# Altium PCB ControlBoardV6.2.PcbDoc (continued)
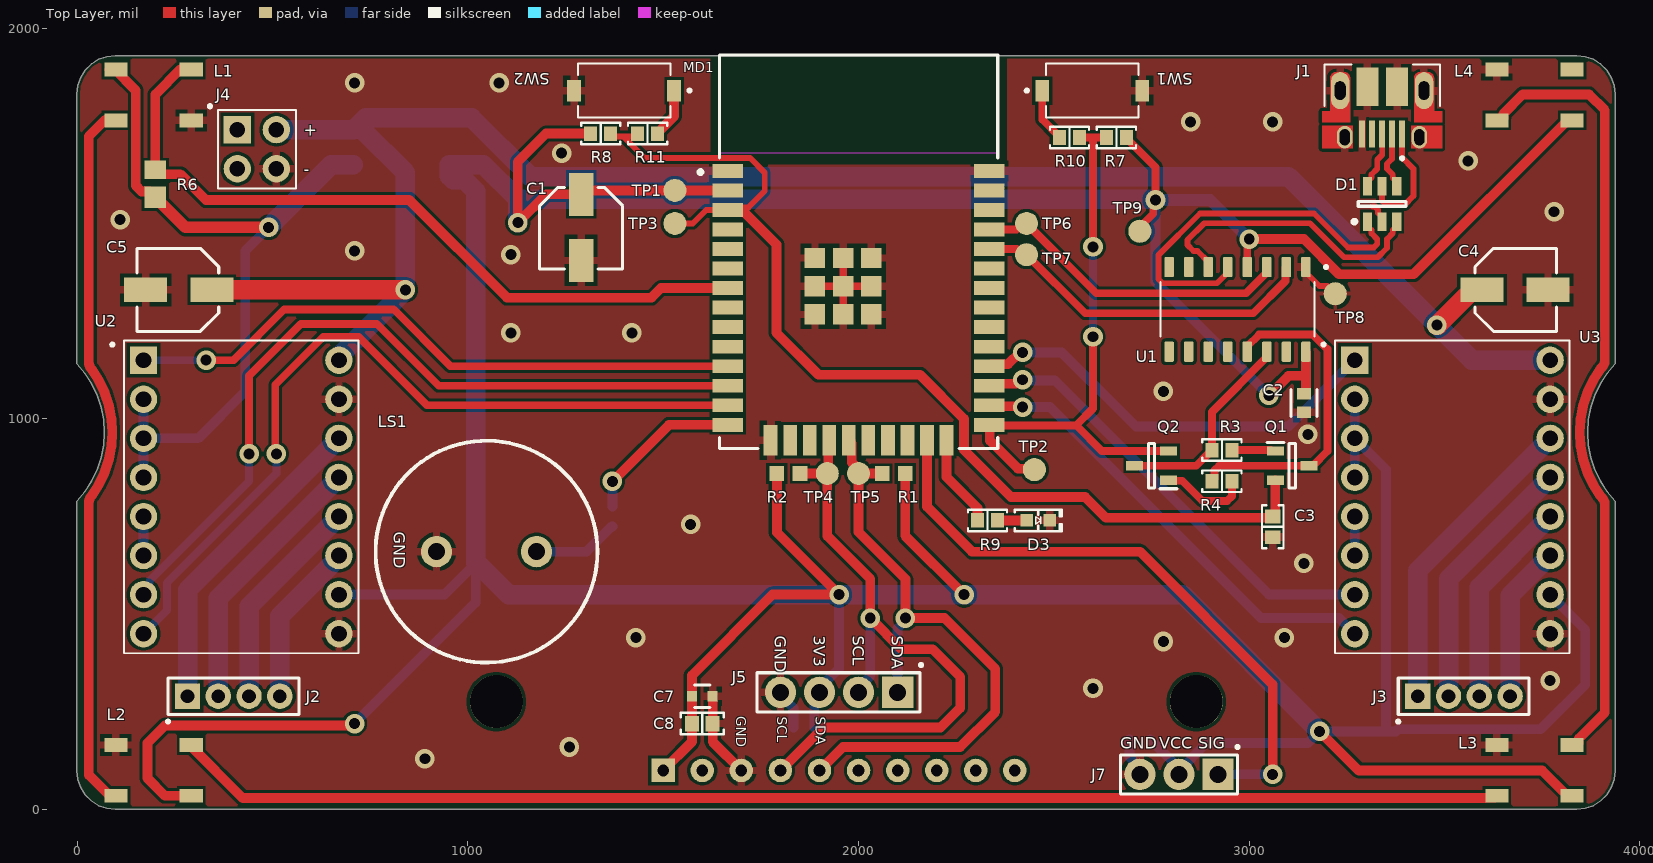
[diagram p0: Top Layer view]
## Part data (continued)
D3: library part LED, "LED BLUE 0603 SMD", Current - Test=20mA, Device Package="0603 (1608 Metric)", Lens Color=1.00mm, Manufacturer="Vishay Semiconductor Opto Division", Millicandela Rating=104mcd, Part Number=VLMB1300-GS08, Supplier Device Package=0603, Supplier Part Number 1=VLMB1300-GS08CT-ND, Voltage - Forward (Vf) (Typ)=3.3V, Color=Blue, ComponentLink1Description=Datasheet, ComponentLink1URL=http://www.vishay.com/docs/82437/vlmo1300.pdf, ComponentLink2Description="DigiKey Link", ComponentLink2URL=http://digikey.com/product-detail/en/vishay-semiconductor-opto-division/VLMB1300-GS08/VLMB1300-GS08CT-ND/3025485, Configuration=Standard, Height (Max)=1.00mm, LastUpdated="09/02/2020 01:20:26", Lens Size="1.10mm x 0.80mm", Lens Style="Rectangle with Flat Top", Lifecycle Status=Active, Minimum Order=1, Mounting Type="Surface Mount", Package / Case="0603 (1608 Metric)", Packaging=TapeAndReel, Part Status=Active, PartId=785, Price=0.08, Series=CHIPLED, Size=0603, Size / Dimension="1.60mm L x 0.80mm W", Supplier 1=DigiKey, Viewing Angle=130°, Wavelength - Dominant=470nm, Wavelength - Peak=468nm
J1: library part 10103594-0001LF, "USB - micro B USB 2.0 Receptacle Connector 5 Position Surface Mount, Right Angle; Through Hole", Package=None, Availability=Good, Check_prices=https://www.snapeda.com/parts/10103594-0001LF/Amphenol%20FCI/view-part/5161044/?ref=eda, MF="Amphenol ICC (FCI)", MP=10103594-0001LF, Price=None, Purchase-URL=https://pricing.snapeda.com/search/part/10103594-0001LF/?ref=eda, SnapEDA_Link=https://www.snapeda.com/parts/10103594-0001LF/Amphenol%20FCI/view-part/5161044/?ref=snap
J2 J3: library part M22-2510405, "Connector", Manufacturer_Name=Harwin, Mouser Part Number=855-M22-2510405, Datasheet Link=https://cdn.harwin.com/pdfs/M22-251.pdf, Height=5.25mm, Manufacturer_Part_Number=M22-2510405, Mouser Price/Stock=https://www.mouser.co.uk/ProductDetail/Harwin/M22-2510405?qs=vF78I%252BjhbY9z7PsFZBZ5CA%3D%3D
J4: library part M20-9950245, "M20-9950245 Pin Connector", ComponentLink1Description=Datasheet, ComponentLink1URL=https://www.snapeda.com/parts/M20-9950245/Harwin/datasheet/
J5: library part SSD_GUARRETA, "CONN HDR 4POS 0.1 TIN PCB", Color=Black, Manufacturer=Sullins, Manufacturer Part Number=PPTC041LFBN-RC, Package Quantity=1000, Supplier Part Number 1=S7002-ND, Category=Connectors, ComponentLink1Description=https://media.digikey.com/pdf/Data%20Sheets/Sullins%20PDFs/Female_Headers.100_DS.pdf?src-supplier=Digi-Key, ComponentLink1URL=https://media.digikey.com/pdf/Data%20Sheets/Sullins%20PDFs/Female_Headers.100_DS.pdf?src-supplier=Digi-Key, ComponentLink2Description=http://www.sullinscorp.com/catalogs/78_Page80-81_HEADER_.100_2.54mm_FEMALE.pdf?src-supplier=Future+Electronics, ComponentLink2URL=http://www.sullinscorp.com/catalogs/78_Page80-81_HEADER_.100_2.54mm_FEMALE.pdf?src-supplier=Future+Electronics, Connector Type=Header,Socket, Contact Material=Bronze, Contact Plating=Tin, Height=8.5mm, Housing Material=Plastic, Lead Free="Lead Free", Length=10.7mm, Mount="Through Hole", Number of Positions=4, Number of Rows=1, Packaging=Bulk, Pitch=0.1inch, Pricing 1="1=0,45000, 10=0,42400, 100=0,32500, 500=0,28260, 1000=0,23315, 5000=0,20489, 10000=0,20410 (USD)", RoHS=Yes, Stock 1=41925, Supplier 1=Digi-Key, Termination=Solder, Width=2.5mm
J6: library part IMU_GUARRETA, "CONN HDR 10POS 0.1 TIN PCB", Color=Black, Manufacturer=Sullins, Manufacturer Part Number=PPTC101LFBN-RC, Package Quantity=1000, Supplier Part Number 1=S7008-ND, Category=Connectors, ComponentLink1Description=https://media.digikey.com/pdf/Data%20Sheets/Sullins%20PDFs/Female_Headers.100_DS.pdf?src-supplier=Digi-Key, ComponentLink1URL=https://media.digikey.com/pdf/Data%20Sheets/Sullins%20PDFs/Female_Headers.100_DS.pdf?src-supplier=Digi-Key, Connector Type=Header, Contact Material=Bronze, Contact Plating=Tin, Contact Type="Female Socket", Height=8.5mm, Housing Material=Plastic, Lead Free="Lead Free", Length=25.9mm, Mount="Through Hole", Number of Positions=10, Number of Rows=1, Packaging=Bulk, Pitch=0.1inch, Pricing 1="1=0,65000, 10=0,57400, 100=0,49500, 500=0,40500, 1000=0,36000, 5000=0,32500 (USD)", RoHS=Yes, RoHS Compliant=Yes, Stock 1=12464, Supplier 1=Digi-Key, Termination=Solder, Width=2.5mm
J7: library part IRREMOTE_GUARRETA, "CONN HDR 3POS 0.1 GOLD PCB", Color=Black, Manufacturer=Sullins, Manufacturer Part Number=PPPC031LFBN-RC, Package Quantity=1000, Supplier Part Number 1=S7036-ND, Category=Connectors, ComponentLink1Description=https://media.digikey.com/pdf/Data%20Sheets/Sullins%20PDFs/Female_Headers.100_DS.pdf?src-supplier=Digi-Key, ComponentLink1URL=https://media.digikey.com/pdf/Data%20Sheets/Sullins%20PDFs/Female_Headers.100_DS.pdf?src-supplier=Digi-Key, ComponentLink2Description=http://www.sullinscorp.com/catalogs/78_Page80-81_HEADER_.100_2.54mm_FEMALE.pdf?src-supplier=Future+Electronics, ComponentLink2URL=http://www.sullinscorp.com/catalogs/78_Page80-81_HEADER_.100_2.54mm_FEMALE.pdf?src-supplier=Future+Electronics, Connector Type=Header, Contact Material=Bronze, Contact Plating=Gold, Contact Type="Female Socket", Height=8.5mm, Housing Material=Plastic, Lead Free="Lead Free", Length=8.12mm, Mount="Through Hole", Number of Positions=3, Number of Rows=1, Packaging=Bulk, Pitch=0.1inch, Pricing 1="1=0,37000, 10=0,35100, 100=0,26910, 500=0,23400, 1000=0,19305, 5000=0,16965, 10000=0,16900 (USD)", RoHS=Yes, RoHS Compliant=Yes, Stock 1=36124, Supplier 1=Digi-Key, Termination=Solder, Width=2.5mm
LS1: library part Buzzer
MD1: library part CMP-194065-000003-1, "WIFI MODULE 32MBITS SPI FLASH", Manufacturer="Espressif Systems", Max Frequency=2484MHz, Max Supply Voltage=3.6V, Min Supply Voltage=3V, Nominal Supply Current=500mA, Temperature="-40°C to +85°C", Temperature Range High=+85°C, Temperature Range Low=-40°C, Automotive=No, Bandwidth=72MHz, Category=UNK, ComponentLink2Description=Datasheet, ComponentLink2URL=https://www.espressif.com/sites/default/files/documentation/esp32-wroom-32d_esp32-wroom-32u_datasheet_en.pdf, Data Rate=150Mbits/s, Device Class L1="Integrated Circuits (ICs)", Device Class L2="RF Semiconductors and Devices", Device Class L3=Transceivers, Digikey Description="WIFI MODULE 32MBITS SPI FLASH", Height=3.2mm, Interface=I2C,SPI,UART,Ethernet,I2S,Other, Lead Free=Yes, Manufacturer Part Number=ESP32-WROOM-32D, Mouser Description="Wi-Fi/BT BLE Module ESP32-D0WD, SPI Flash, UART, P", Number Of Adc Channels=16, Number Of Gpio=32, Octopart=https://octopart.com/esp32-wroom-32d-espressif+systems-91040050, Package=ESP32-WROOM-32D, RoHS=TRUE, Sensitivity=-98dBm
Q1 Q2: "Transistor", Manufacturer_Name="Yenji Elec", Datasheet Link=https://datasheet.lcsc.com/szlcsc/Yenji-Elec-S8050_C139514.pdf, Height=1.15mm, Manufacturer_Part_Number=S8050
R1 R2: library part CMP-1012-00586-3, "Precision Thick Film Chip Resistor, 4.7 KOhm, +/- 1%, -55 to 155 degC, 0603 (1608 Metric), RoHS, Tape and Reel", Case Code (Imperial)=1206, Case Code (Metric)=3216, Case\Package=1205, Manufacturer=Panasonic, Manufacturer Part Number=ERJ-3EKF4701V, Max Operating Temperature="125 degC", Min Operating Temperature="-55 degC", Package Quantity=1, Power Rating="250 mW", Tolerance=5%, Type (Resistor)="Thick Film", Voltage Rating="50 V", ComponentLink1Description="Manufacturer URL", ComponentLink1URL=http://www.panasonic.com/, ComponentLink2Description=Datasheet, ComponentLink2URL=http://industrial.panasonic.com/cdbs/www-data/pdf/RDA0000/AOA0000C86.pdf, DatasheetVersion=Apr-15, Elements=4, Height="0.024 inch", Length="0.126 inch", Mount="Surface Mount", PackageDescription="2-Pin Surface Mount Device, Body 1.6 x 0.85 mm", Packaging="Tape and Reel", Pins=8, Radiation Hardening=No, REACH SVHC="No SVHC", Resistance=4k7, RoHSCompliant=true, Size=0603, Width="0.063 inch"
R3 R4 R7 R8: library part RMCF0603JT12K0, "RES 12K OHM 5% 1/10W 0603", Device Package="0603 (1608 Metric)", Manufacturer="Stackpole Electronics Inc", Operating Temperature="-55°C ~ 155°C", Power (Watts)="0.1W, 1/10W", Ratings=AEC-Q200, Resistance="12 kOhms", Supplier Device Package=0603, Supplier Part Number 1=RMCF0603JT12K0CT-ND, Temperature Coefficient=±200ppm/°C, Tolerance=±5%, ComponentLink1Description=Datasheet, ComponentLink1URL=https://www.seielect.com/catalog/sei-rmcf_rmcp.pdf, ComponentLink2Description="DigiKey Link", ComponentLink2URL=http://digikey.com/product-detail/en/stackpole-electronics-inc/RMCF0603JT12K0/RMCF0603JT12K0CT-ND/1943192, Composition="Thick Film", Features="Automotive AEC-Q200", Height - Seated (Max)="0.022\" (0.55mm)", LastUpdated="09/02/2020 01:10:24", Lifecycle Status=Active, Minimum Order=1, Number of Terminations=2, Package / Case="0603 (1608 Metric)", Packaging=CutTape, Part Number=RMCF0603JT12K0, Part Status=Active, PartId=5166, Price=0.10, Series=RMCF, Size=0603, Size / Dimension="0.061\" L x 0.031\" W (1.55mm x 0.80mm)", Supplier 1=DigiKey
R5: library part CRCW06031K00FKEAHP, "RES SMD 1K OHM 1% 1/4W 0603", Device Package="0603 (1608 Metric)", Manufacturer="Vishay Dale", Operating Temperature="-55°C ~ 155°C", Power (Watts)="0.25W, 1/4W", Ratings=AEC-Q200, Resistance="1 kOhms", Supplier Device Package=0603, Supplier Part Number 1=541-1.00KSCT-ND, Temperature Coefficient=±100ppm/°C, Tolerance=±1%, ComponentLink1Description=Datasheet, ComponentLink1URL=http://www.vishay.com/docs/20043/crcwhpe3.pdf, ComponentLink2Description="DigiKey Link", ComponentLink2URL=http://digikey.com/product-detail/en/vishay-dale/CRCW06031K00FKEAHP/541-1.00KSCT-ND/2222766, Composition="Thick Film", Features="Automotive AEC-Q200, Pulse Withstanding", Height - Seated (Max)="0.022\" (0.55mm)", LastUpdated="09/02/2020 01:10:05", Lifecycle Status=Active, Minimum Order=1, Number of Terminations=2, Package / Case="0603 (1608 Metric)", Packaging=TapeAndReel, Part Number=CRCW06031K00FKEAHP, Part Status=Active, PartId=14350, Price=0.02, Series=CRCW-HP, Size=0603, Size / Dimension="0.063\" L x 0.033\" W (1.60mm x 0.85mm)", Supplier 1=DigiKey
R6: library part Resistor, "Resistor", Supplier Part Number 1=2358436, Supplier 1=Farnell
R9 R10 R11: library part RMCF0603JT470R, "RES 470 OHM 5% 1/10W 0603", Device Package="0603 (1608 Metric)", Manufacturer="Stackpole Electronics Inc", Operating Temperature="-55°C ~ 155°C", Power (Watts)="0.1W, 1/10W", Ratings=AEC-Q200, Resistance="470 Ohms", Supplier Device Package=0603, Supplier Part Number 1=RMCF0603JT470RCT-ND, Temperature Coefficient=±200ppm/°C, Tolerance=±5%, ComponentLink1Description=Datasheet, ComponentLink1URL=https://www.seielect.com/catalog/sei-rmcf_rmcp.pdf, ComponentLink2Description="DigiKey Link", ComponentLink2URL=http://digikey.com/product-detail/en/stackpole-electronics-inc/RMCF0603JT470R/RMCF0603JT470RCT-ND/1943166, Composition="Thick Film", Features="Automotive AEC-Q200", Height - Seated (Max)="0.022\" (0.55mm)", LastUpdated="09/02/2020 01:10:23", Lifecycle Status=Active, Minimum Order=1, Number of Terminations=2, Package / Case="0603 (1608 Metric)", Packaging=CutTape, Part Number=RMCF0603JT470R, Part Status=Active, PartId=5857, Price=0.10, Series=RMCF, Size=0603, Size / Dimension="0.061\" L x 0.031\" W (1.55mm x 0.80mm)", Supplier 1=DigiKey
SW1 SW2: library part CMP-2000-07501-1, "FSMSM Push Button Switch, 50 mA, -35 to 85 degC, 2-Pin SMD, RoHS, Tape and Reel", Case\/Package=SMD/SMT, Contact Current Rating=50mA, Contact Resistance=100mOhm, Manufacturer="TE Connectivity", Max Operating Temperature=85degC, Max Voltage Rating (DC)=12V, Min Operating Temperature=-35degC, Operating Force=180gf, Package Description="2-Pin Surface Mount Device, Body 6 x 3.5 mm, Pitch 9.19 mm", Package Quantity=1800, Voltage Rating (DC)=24V, Actuator Length=1.07mm, Actuator Material=Polyamide, Contact Material=Brass, Contact Plating=Silver, Current Rating=50mA, Datasheet URL=http://www.te.com/commerce/DocumentDelivery/DDEController?Action=showdoc&DocId=Customer+Drawing%7F1437566-3%7FC2%7Fpdf%7FEnglish%7FENG_CD_1437566-3_C2_1437566_3_1_c.dwg.pdf%7F1437566-4, Datasheet Version="Rev. C2, 08/2014", Electrical Life=20000Cycles, ELV=Compliant, Illumination Type=Illuminated, Lead Free=LeadFree, Manufacturer Part Number=FSMSMTR, Manufacturer URL=http://www.te.com/, Mechanical Life=20000Cycles, Mount=SurfaceMount, Mounting Technology=SurfaceMount, Orientation=Straight, Package Reference=FSMSMTR, Packaging=TapeandReel, REACH SVHC=Unknown, RoHSCompliant=true, Switch Travel=0.25mm, Termination=GullWing, Throw Configuration=SPST
TP1 TP2 TP3 TP4 TP5 TP6 TP7 TP8 TP9 TP10 TP11 TP12: library part TestPoint
U1: "USB to serial chip CH340", Package=None, Availability="Not in stock", Check_prices=https://www.snapeda.com/parts/CH340C/WCH/view-part/?ref=eda, MF=WCH, MP=CH340C, Price=None, SnapEDA_Link=https://www.snapeda.com/parts/CH340C/WCH/view-part/?ref=snap
U2 U3: "Pololu A4988 Stepper Motor Driver Carrier", ComponentLink1Description="Datasheet carrier", ComponentLink1URL=https://www.robotshop.com/media/files/pdf/datasheet-1182.pdf, ComponentLink2Description="Datasheet A4988", ComponentLink2URL=https://www.pololu.com/file/0J450/a4988_DMOS_microstepping_driver_with_translator.pdf
U4: library part CMP-0062-01631-4, "800mA Low-Dropout Linear Regulator, 4-pin SOT-223, Pb-Free", Manufacturer="Texas Instruments", PackageTopMarking=XYTT*N05B, PowerWise=N, Code_IPC=SOT223-4, Code_JEDEC=TO-261-AA, ComponentLink1Description="Datasheet URL", ComponentLink1URL=http://www.ti.com/general/docs/lit/getliterature.tsp?genericPartNumber=LM1117-N&fileType=pdf, CompType="LDO IC", High-Reliability=Y, Manufacturer Part Number=LM1117IMP-3.3/NOPB, PackageDescription="Molded SOT-223, 6.50 x 3.56 x 1.6mm Body, 4 Lead, 2.3mm Pitch", PackageReference=DCY0004A, PartNumber=LM1117IMP-3.3/NOPB, PinCount=4, RoHS=Y

## Free pads (board coordinates)
  round 135.43 hole 135.43: 1(1072.98,276.05) 1(2864.32,276.05)

## Via types
v1: diameter 50, hole 28, Top Layer to Bottom Layer, 46 vias

## Nets (pads, with @x,y where several pads share a name; then routed paths per layer and width w, separated by ;. In a path a pad name is that pad's centre, name@x,y a point inside that pad or via, vN(x,y) a via of type N, cw(c..) or ccw(c..) an arc to the next point about the centre after c; other vN are vias at no path point)
+3V3: C1.1 C2.2 C6.1 C7.1 C8.2 C9.1 J5.3 J6.1 J7.2 L1.1 L2.1 L3.1 L4.1 MD1.2 R1.1 R2.1 R6.1 R7.1 R8.1 TP1.1 TP9.1 TP11.1 U1.4 U1.16 U2.2 U2.3 U2.4 U2.10 U3.2 U3.3 U3.4 U3.10 U4.2 U4.4 | length 17493.1
  Top Layer w20: R7.1 2685.59,1718.03 2760,1643.62 v1(2760,1560) 2754.26,1554.26 2754.26,1524.83 2720,1490.57 TP9.1 ; U1.4 2995,1455 v1(3000,1460)
  Top Layer w25: L1.1@82.01,1893.43 83.54,1894.96 95.36,1894.96 150,1840.32 150,1596.64 164.64,1582 185,1582 R6.1 ; L2.1@276.46,35.04 224.96,35.04 180,80 180,170 224.78,214.78 687.11,214.78 687.54,215.22 705.22,215.22 v1(710,220) ; R8.1@1317.3,1727.11 R8.1 1200,1730 1128,1658 v1(1128,1502) 1200.65,1574.65 C1.1 1299.94,1584.59 MD1.2 ; J6.1 1573.43,173.43 C8.2 C7.1 1573.43,343.43 1780,550 v1(1950,550) 1790.94,709.06 R2.1 ; R1.1 2119.53,700.47 v1(2270,550) ; v1(3000,1460) 3140,1460 3230,1370 3420.84,1370 3814.65,1763.81 L4.1 ; v1(3050,1060) 3100,1110 3145,1110 ; C2.2 3140.24,1063.62 3145,1068.39 3145,1110 ; U1.16 3145,1110 ; v1(3180,200) 3280,100 3749.68,100 3814.65,35.04 L3.1
  Top Layer w30: R6.1@200.06,1567 277.06,1490 v1(490,1490)
  Bottom Layer w20: J5.3 J5.3@1900,310.48
  Bottom Layer w25: U2.4 U2.3 ; U2.2 U2.3 ; v1(490,1490) 430,1430 430,1070 310,950 U2.3 ; U2.10@678.61,558.61 U2.10 940,550 1020,630 1020,530 v1(710,220) ; C6.1 1886.57,271.69 1900,285.12 J5.3 ; J5.3@1900,310.48 1950,360.48 v1(1950,550) ; C9.1 2746.57,179.02 2809.48,116.11 2809.48,100.52 J7.2 2820,98.99 2891.01,170 3150,170 v1(3180,200) 3350,200 ; v1(2760,1560) 2760,1350 v1(3050,1060) ; U3.4 U3.3 ; U3.2 U3.3 ; U3.10 3860,460 3860,320 3745.5,205.5 3381.15,205.5 3375.65,200 3350,200 ; U3.3 3350,870 3350,200
  Bottom Layer w30: v1(2760,1560) 2900,1560 v1(3000,1460)
  Bottom Layer w50: v1(490,1490) 650,1650 U4.2 ; v1(1128,1502) 1128,1562 ; v1(2760,1560) 2758,1562 1128,1562 ; v1(3180,200) 2830,550 v1(2270,550) v1(1950,550) 1104.41,550 1024.41,630 1020,630 TP11.1 1020,1582.72 990.71,1612.01 962.48,1612.01 953.03,1621.46 U4.4 1040,1650 1128,1562
+11V1: C4.1 C5.1 J4.3 TP10.1 U2.16 U3.16 U4.3 | length 4906.5
  Top Layer w50: C5.1 v1(840,1330) ; v1(3480,1240) 3481.73,1240 3565.24,1323.5 3588.86,1323.5 C4.1
  Bottom Layer w50: J4.3 510.28,1740.28 706.69,1740.28 U4.3 ; U2.16 670,1155.41 680,1165.41 680,1170 v1(840,1330) TP10.1 840,1630 729.45,1740.55 U4.3 ; U3.16 3570,1150 v1(3480,1240) 3100,1620 1160,1620 1010,1770 738.58,1770 709.13,1740.55 U4.3
BUZZER: MD1.14 R5.2 | length 419.7
  Top Layer w25: v1(1370,840) 1514.59,984.59 MD1.14
  Bottom Layer w25: R5.2 v1(1370,840)
D1_DIR: MD1.13 U2.8 | length 2061.1
  Top Layer w20: v1(510,910) 506.89,913.11 506.89,1086.89 630,1210 720,1210 895.41,1034.59 MD1.13
  Bottom Layer w20: U2.8 230,510 230,580 510,860 v1(510,910)
D1_EN: MD1.11 U2.1 | length 1609.4
  Top Layer w20: v1(330,1150) 400,1150 530,1280 810,1280 955.41,1134.59 MD1.11
  Bottom Layer w20: U2.1 v1(330,1150)
D1_STEP: MD1.12 U2.7 | length 2017.9
  Top Layer w20: v1(440,910) 440,1110 573,1243 767,1243 925.41,1084.59 MD1.12
  Bottom Layer w20: U2.7 170,563.53 185.96,579.49 185.96,585.96 440,840 v1(440,910)
D2_DIR: MD1.26 U3.8 | length 1177.5
  Top Layer w25: MD1.26 2336.94,1032.29 2417.71,1032.29 v1(2420,1030)
  Bottom Layer w25: v1(2420,1030) 2490,1030 3030,490 3230,490 U3.8
D2_EN: MD1.28 U3.1 | length 1099.1
  Top Layer w25: MD1.28 2339.86,1139.8 2383.04,1139.8 2413.24,1170 v1(2420,1170)
  Bottom Layer w25: v1(2420,1170) 2520,1170 2710,980 3100,980 U3.1
D2_STEP: MD1.27 U3.7 | length 1169.6
  Top Layer w25: MD1.27 2339.86,1089.8 2403.04,1089.8 2413.24,1100 v1(2420,1100)
  Bottom Layer w25: v1(2420,1100) 2422.28,1097.72 2502.28,1097.72 3050,550 U3.7
D\T\R\: Q1.3 R4.1 U1.13 | length 848.1
  Top Layer w20: R4.1 2911.14,846.73 2911.14,868.28 2922.86,880 Q1.3 3163.15,880 3200,916.85 3200,1178.39 3162.87,1215.52 3025.2,1215.52 2995,1185.31 U1.13
D_N: D1.3 U1.6 | length 749.8
  Top Layer w15: U1.6 2895,1401.85 2867.3,1429.56 2857.14,1429.56 2841.54,1445.15 2841.54,1457.58 2884.46,1500.5 3155.56,1500.5 3242.4,1413.66 3329.07,1413.66 3352.5,1437.09 3352.5,1459.87 3367.31,1474.68 3367.31,1482.82 3377.4,1492.91 D1.3
D_P: D1.1 U1.5 | length 979.8
  Top Layer w15: U1.5 2945,1374.69 2917.3,1346.98 2778.16,1346.98 2767.3,1357.85 2767.3,1418.69 2874.11,1525.5 3165.92,1525.5 3252.76,1438.66 3318.71,1438.66 3327.5,1447.44 3327.5,1459.87 3312.69,1474.68 3312.69,1482.82 3302.6,1492.91 D1.1
DNP_N: D1.4 J1.2 | length 149.2
  Top Layer w15: J1.2 3365.3,1728.49 3365.3,1665.35 3352.5,1652.56 3352.5,1640.13 3367.31,1625.32 3367.31,1617.18 3377.4,1607.09 D1.4
DNP_P: D1.6 J1.3 | length 149.2
  Top Layer w15: D1.6 3302.6,1607.09 3312.69,1617.18 3312.69,1625.32 3327.5,1640.13 3327.5,1662.91 3340.3,1675.71 3340.3,1728.49 J1.3
EN: C3.1 MD1.3 Q1.2 R8.2 R11.1 TP3.1 | length 2775.8
  Top Layer w15: R8.2 1373.06,1722.53 1397.47,1722.53 ; R11.1 1426.94,1722.53 1397.47,1722.53 ; TP3.1 1575.52,1500 1610.1,1534.59 MD1.3 ; 1706.65,1529.37 1670.57,1529.37 MD1.3 ; C3.1@3050,746.57 C3.1@3051.97,746.57 ; 1397.47,1722.53 1452.2,1667.8 1711.14,1667.8 1722.2,1667.8 1760,1630 1760,1582.91 1717.97,1540.88 1671.65,1540.88 MD1.3
  Top Layer w25: 1706.65,1529.37 1790,1446.02 1790,1220 1897.26,1112.74 2157.26,1112.74 2270,1000 2270,920 2390,800 2580,800 2633.43,746.57 C3.1@3050,746.57 ; C3.1 3061.48,750 3066.69,755.22 Q1.2
ESP32_RX: MD1.34 TP7.1 U1.2 | length 897
  Top Layer w20: MD1.34 2404.84,1434.59 2419.43,1420 TP7.1 2580,1270 3010,1270 3092.8,1352.8 3092.8,1386.06 U1.2
ESP32_TX: MD1.35 TP6.1 U1.3 | length 826.3
  Top Layer w20: MD1.35 2404.02,1484.59 2419.43,1500 TP6.1 2608.52,1321.48 2991.8,1321.48 3045,1374.69 U1.3
GND: C1.2 C2.1 C3.2 C4.2 C5.2 C6.2 C7.2 C8.1 C9.2 D1.2 D3.2 J1.5 J1.6 J1.7 J1.8 J1.9 J1.10 J1.11 J1.S1 J1.S2 J4.4 J5.4 J6.3 J7.3 L1.3 L2.3 L3.3 L4.3 LS1.2 MD1.1 MD1.15 MD1.38 MD1.39 SW1.2 SW2.2 TP8.1 TP12.1 U1.1 U2.9 U2.15 U3.9 U3.15 U4.1 | length 868.2
  Top Layer w15: U1.1 3145,1374.69 3179.69,1340 3200,1340 TP8.1@3205,1335 ; 3316.15,1543.85 3320.83,1543.85 3329.91,1534.77 3329.91,1526.63 3340,1516.54 D1.2
  Top Layer w20: MD1.39@1888.39,1339.31 MD1.39@1960.63,1339.31 ; MD1.39@1960.63,1267.07 MD1.39@1960.63,1339.31 ; MD1.39@1960.63,1411.55 MD1.39@1960.63,1339.31 ; MD1.39@2032.87,1339.31 MD1.39@1960.63,1339.31
  Top Layer w25: U2.9 U2.9@682.18,450 ; C7.2 C8.1 1626.57,173.43 J6.3
  Bottom Layer w25: J5.4 1800,293.37 1833.43,259.95 C6.2 ; C9.2 2693.43,134.16 2720,107.59 J7.3
  other v1: 890,130 1260,160 2600,310 3770,330 2780,430 1430,440 3090,440 3140,630 1570,730 3150,960 2780,1070 1110,1220 1420,1220 1110,1420 710,1430 110,1510 3780,1530 3560,1660 1240,1680 2850,1760 3060,1760 710,1860 1080,1860
IO0: MD1.25 Q2.2 R7.2 R10.1 TP2.1 | length 1492
  Top Layer w20: MD1.25@2335.99,983.25 2556.75,983.25 ; R10.1 2600,1720 ; v1(2600,1210) 2600,1026.5 2556.75,983.25 ; v1(2600,1440) 2600,1720 ; R7.2 2600,1720 ; Q2.2 2622.6,917.4 2556.75,983.25
  Top Layer w25: MD1.25@2335.99,983.25 2335.99,944.02 2407.6,872.4 2447.6,872.4 TP2.1
  Bottom Layer w20: v1(2600,1210) v1(2600,1440)
IO2: MD1.24 R9.1 | length 238.1
  Top Layer w25: MD1.24 2225,851.38 2304.41,771.97 R9.1
IR_SIG: J7.1 MD1.23 | length 1613.7
  Top Layer w25: MD1.23 2175,775 2290,660 2720,660 3060,320 v1(3060,90)
  Bottom Layer w25: J7.1 v1(3060,90)
MOT1_1A: J2.3 U2.12 | length 555.3
  Bottom Layer w50: J2.3 440,520 U2.12
MOT1_1B: J2.4 U2.11 | length 422.7
  Bottom Layer w50: J2.4 518.74,494.91 670,646.17 U2.11
MOT1_2A: J2.2 U2.13 | length 687.9
  Bottom Layer w50: J2.2 361.26,541.26 U2.13
MOT1_2B: J2.1 U2.14 | length 820.5
  Bottom Layer w50: J2.1 282.52,561.71 670,949.19 U2.14
MOT2_1A: J3.3 U3.12 | length 535.1
  Bottom Layer w50: J3.3 3588.74,568.74 U3.12
MOT2_1B: J3.4 U3.11 | length 402.5
  Bottom Layer w50: J3.4 3667.48,547.48 U3.11
MOT2_2A: J3.2 U3.13 | length 667.7
  Bottom Layer w50: J3.2 3510,590 U3.13
MOT2_2B: J3.1 U3.14 | length 800.3
  Bottom Layer w50: J3.1 3431.26,611.26 U3.14
NeoPixels: L1.4 MD1.7 R6.2 | length 1907.5
  Top Layer w25: L1.4@276.46,1894.96 264.64,1894.96 200,1830.32 R6.2 211.12,1625.88 264.12,1625.88 330,1560 850,1560 1100,1310 1470,1310 1494.59,1334.59 MD1.7
NetD1_5: D1.5 J1.1 | length 302.9
  Top Layer w15: D1.5 3340,1557.2 3350.58,1546.62 3396.62,1546.62 3420,1570 3420,1640 3391.18,1668.82 J1.1
NetD3_1: D3.1 R9.2 | length 74.9
  Top Layer w25: R9.2 D3.1
NetL1_2: L1.2 L2.4 | length 1807.2
  Top Layer w25: 37.22,803.28 cw(c20.09,814.31) 35.71,801.22 ccw(c55,785.32) 30,785.39 30,88.58 L2.4@83.54,35.04 ; 37.23,803.29 54.67,830.41 ccw(c37.53,841.43) 55.93,832.67 69.79,861.76 ccw(c51.4,870.54) 70.76,864.18 80.8,894.75 ccw(c61.47,901.18) 81.48,897.34 87.58,928.98 ccw(c67.57,932.84) 87.91,931.57 89.95,963.73 ccw(c69.62,965.02) 89.95,966.33 87.91,998.48 ccw(c67.57,997.21) 87.57,1001.12 81.47,1032.73 ccw(c61.47,1028.87) 80.82,1035.23 70.76,1065.87 ccw(c51.4,1059.5) 69.77,1068.32 55.95,1097.33 ccw(c37.53,1088.62) 54.66,1099.66 37.23,1126.76 ccw(c20.09,1115.74) 35.73,1128.8 cw(c55,1144.73) 30,1144.66 30,1723.31 71.73,1765.04 L1.2@83.54,1765.04
NetL2_2: L2.2 L3.4 | length 3415.5
  Top Layer w25: L2.2@276.46,164.96 288.27,164.96 423.73,29.5 3601.87,29.5 3602.19,29.82 3628.33,29.82 L3.4
NetL3_2: L3.2 L4.4 | length 2023
  Top Layer w25: L4.4 3645.35,1763.81 3650.57,1769.02 3650.57,1780.84 3699.74,1830 3870,1830 3910,1790 3910,1150 cw(c3885,1149.83) 3904.15,1133.75 3900.04,1128.87 ccw(c3915.63,1115.74) 3898.49,1126.77 3881.21,1099.89 ; L3.2 3838.27,164.96 3843.48,170.18 3843.48,181.99 3910,248.5 3910,780.22 ccw(c3885,780.22) 3904.15,796.3 3900.04,801.19 cw(c3915.63,814.31) 3898.5,803.28 3881.05,830.41 cw(c3898.18,841.43) 3879.8,832.66 3879.66,832.94 3865.9,861.84 cw(c3884.32,870.55) 3864.98,864.15 3854.89,894.83 cw(c3874.25,901.18) 3854.25,897.31 3848.15,928.96 cw(c3868.15,932.84) 3847.81,931.55 3845.77,963.74 cw(c3866.1,965.03) 3845.76,966.27 3847.81,998.54 cw(c3868.15,997.21) 3848.14,1001.06 3854.25,1032.77 cw(c3874.25,1028.87) 3854.89,1035.22 3864.97,1065.89 cw(c3884.32,1059.51) 3865.9,1068.23 3879.77,1097.34 cw(c3898.18,1088.62) 3881.07,1099.67 3881.18,1099.84
NetLS1_1: LS1.1 R5.1 | length 220.8
  Bottom Layer w25: LS1.1 1303.62,660 1368.03,724.41 R5.1
NetQ1_1: Q1.1 R3.2 | length 112.2
  Top Layer w20: R3.2 3054.25,920 3056.85,917.4 Q1.1
NetQ2_1: Q2.1 R4.2 | length 227.2
  Top Layer w20: Q2.1 2794.21,841.7 2828.3,841.7 2880,790 2943.87,790 2955.59,801.72 R4.2
NetR10_2: R10.2 SW1.1 | length 138.4
  Top Layer w20: SW1.1 2470,1766.38 2514.41,1721.97 R10.2
NetR11_2: R11.2 SW2.1 | length 127.5
  Top Layer w25: R11.2 1485.59,1731.97 1527.95,1774.33 SW2.1
NetU2_5: U2.5 U2.6 | length 100
  Bottom Layer w25: U2.6 U2.5
NetU3_5: U3.5 U3.6 | length 100
  Bottom Layer w25: U3.6 U3.5
R\T\S\: Q2.3 R3.1 U1.14 | length 525.4
  Top Layer w20: Q2.3 2864.41,880 2895.71,911.3 2897.68,911.3 2904.41,918.03 R3.1 2904.41,1017.56 3045,1158.15 U1.14
SCL: J5.2 J6.4 MD1.18 R2.2 TP4.1 | length 1673.7
  Top Layer w25: J6.4 1910,210 2210,210 2260,260 2260,340 2190,410 2110,410 v1(2030,490) 2030,590 1920,700 TP4.1 ; R2.2 TP4.1 ; MD1.18 1922.5,942.72 1922.5,862.5 TP4.1
  Bottom Layer w25: J5.2 2000,311.72 2030,341.72 v1(2030,490)
SDA: J5.1 J6.5 MD1.19 R1.2 TP5.1 | length 1680
  Top Layer w25: J6.5 1960,160 2260,160 2350,250 2350,360 2220,490 v1(2120,490) 2120,590 2000,710 TP5.1 ; MD1.19 1982.72,937.5 1982.72,887.85 2000,870.57 TP5.1 ; R1.2 TP5.1
  Bottom Layer w25: J5.1 2100,463.24 2120,483.24 v1(2120,490)
pads on no net: J1.4 J4.1 J4.2 J6.2 J6.6 J6.7 J6.8 J6.9 J6.10 L4.2 MD1.4 MD1.5 MD1.6 MD1.8 MD1.9 MD1.10 MD1.16 MD1.17 MD1.20 MD1.21 MD1.22 MD1.29 MD1.30 MD1.31 MD1.32 MD1.33 MD1.36 MD1.37 U1.7 U1.8 U1.9 U1.10 U1.11 U1.12 U1.15

## Polygon pours and split planes (outlines as drawn)
GND on Bottom Layer "GND_Bottom" (solid, pour order 3): 0,1930 0,0 3940,0 3940,1930 2380,1930 2380,1650 1620,1650 1620,1930
GND on Top Layer "GND_Top" (solid, pour order 2): 0,1930 0,0 3940,0 3940,1930 2380,1930 2380,1650 1620,1650 1620,1930

## Text inside footprints (layer, text, board x,y; h text height)
J4: Top Overlay "-" at 580,1625 h30; Top Overlay "+" at 580,1725 h30; Bottom Overlay "-" at 580,1625 h30; Bottom Overlay "+" at 580,1725 h30
J5: Top Overlay "SDA" at 2085,444.97 h30 r270; Top Overlay "SCL" at 1985,444.97 h30 r270; Top Overlay "3V3" at 1885.01,444.97 h30 r270; Top Overlay "GND" at 1785.01,444.97 h30 r270
J6: Top Overlay "SDA" at 1890.5,238 h25 r270; Top Overlay "SCL" at 1792.5,238 h25 r270; Top Overlay "GND" at 1687.5,239 h25 r270
J7: Top Overlay "GND" at 2670,155 h30; Top Overlay "VCC" at 2770,155 h30; Top Overlay "SIG" at 2870,155 h30
LS1: Top Overlay "GND" at 809.76,711.18 h30 r270; Top Assembly "+" at 1352.01,685.59 h30 r270
U2: Top Courtyard "GND" at 530.03,435 h30; Top Courtyard "VDD" at 530.03,535 h30; Top Courtyard "1B" at 565.01,635 h30; Top Courtyard "1A" at 565.01,735 h30; Top Courtyard "2A" at 560.02,835 h30; Top Courtyard "2B" at 560.02,935 h30; Top Courtyard "GND" at 530.03,1035 h30; Top Courtyard "VMOT" at 500.04,1135 h30; Top Courtyard "DIR" at 230,435 h30; Top Courtyard "STEP" at 230,535 h30; Top Courtyard "SLP" at 230,635 h30; Top Courtyard "RST" at 230,735 h30; Top Courtyard "MS3" at 230,835 h30; Top Courtyard "MS2" at 230,935 h30; Top Courtyard "MS1" at 230,1035 h30; Top Courtyard "EN" at 230,1135 h30
U3: Top Courtyard "GND" at 3630.03,435 h30; Top Courtyard "VDD" at 3630.03,535 h30; Top Courtyard "1B" at 3665.01,635 h30; Top Courtyard "1A" at 3665.01,735 h30; Top Courtyard "2A" at 3660.02,835 h30; Top Courtyard "2B" at 3660.02,935 h30; Top Courtyard "GND" at 3630.03,1035 h30; Top Courtyard "VMOT" at 3600.04,1135 h30; Top Courtyard "DIR" at 3330,435 h30; Top Courtyard "STEP" at 3330,535 h30; Top Courtyard "SLP" at 3330,635 h30; Top Courtyard "RST" at 3330,735 h30; Top Courtyard "MS3" at 3330,835 h30; Top Courtyard "MS2" at 3330,935 h30; Top Courtyard "MS1" at 3330,1035 h30; Top Courtyard "EN" at 3330,1135 h30